# KiCad board IotKnob.kicad_pcb (continued)
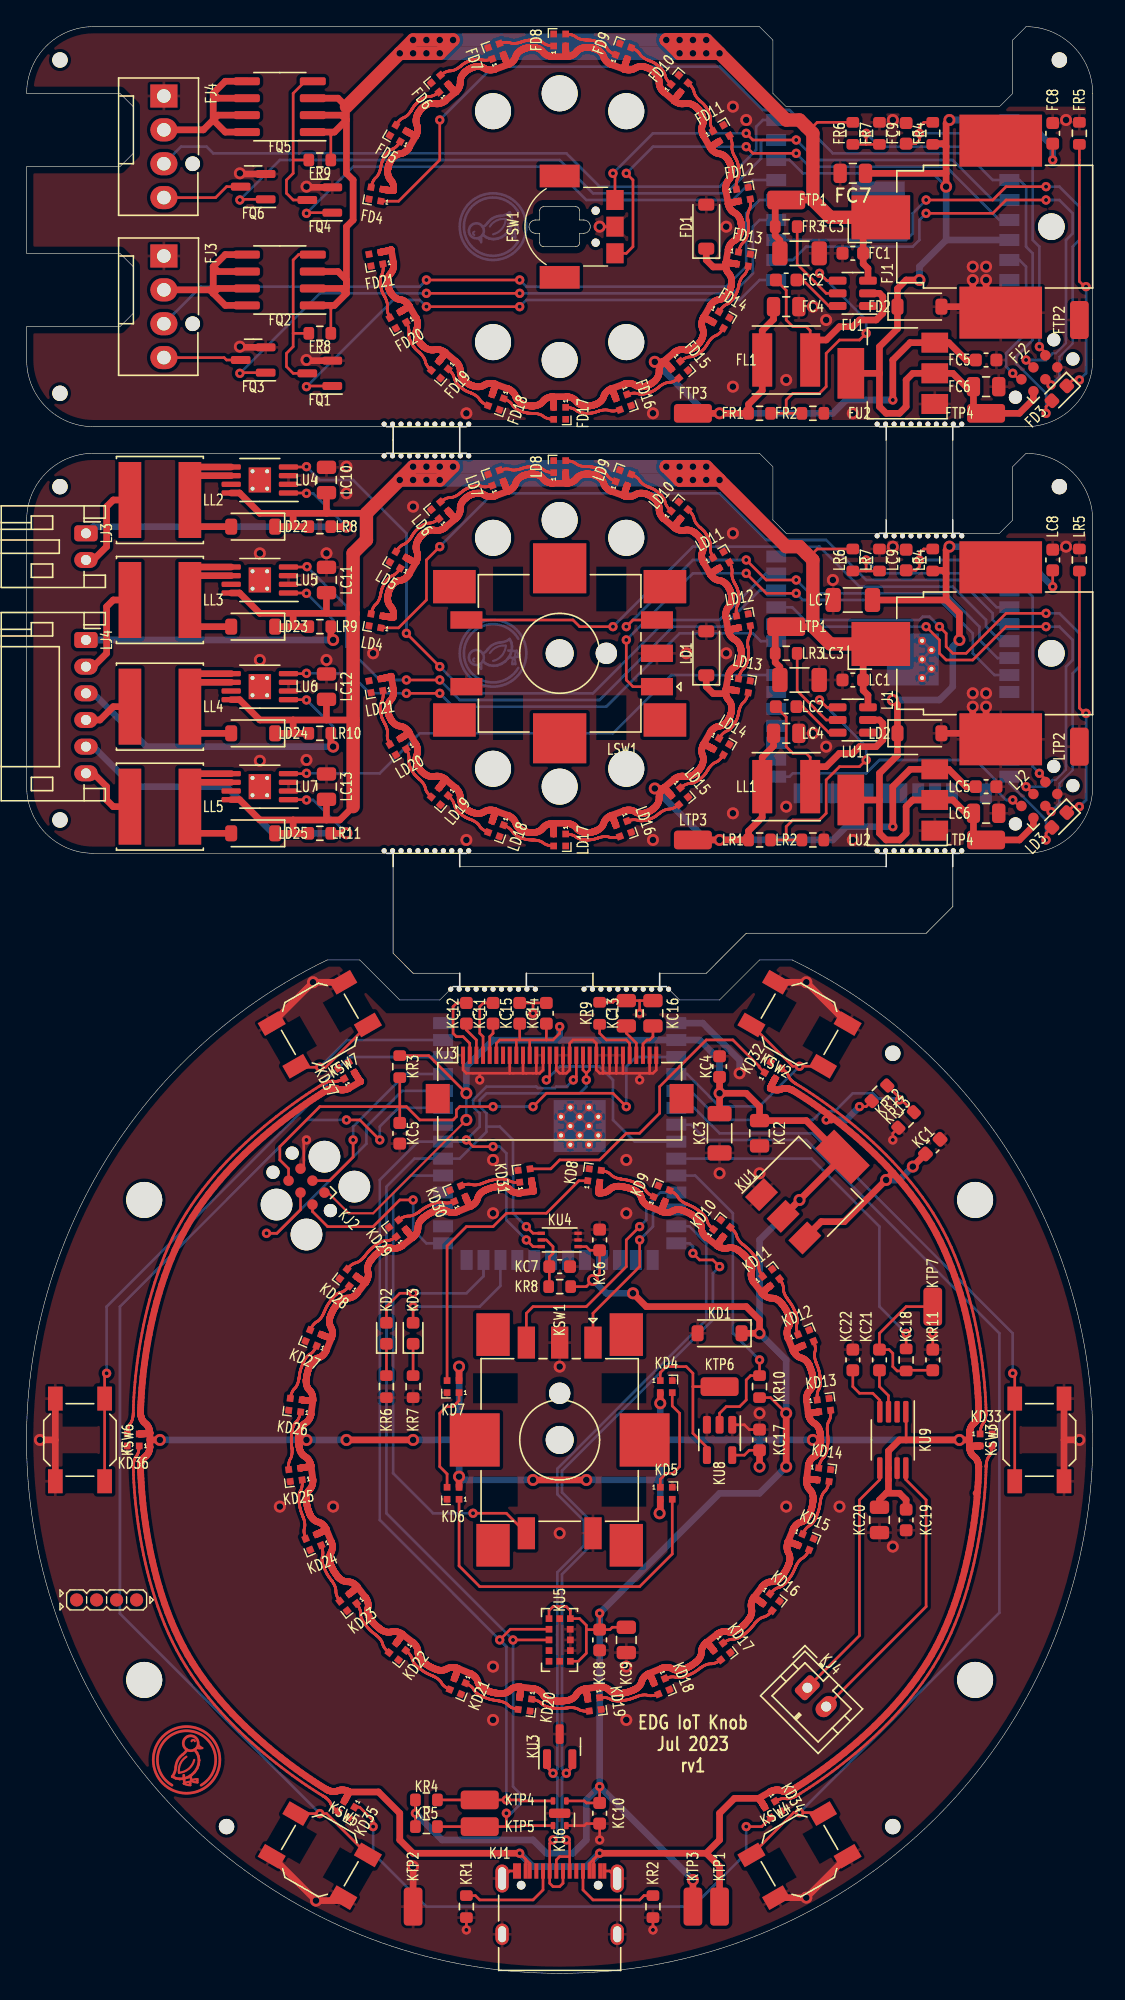
[diagram p0: board, top side]
## Placement (name value [footprint] x y rotation side) (continued)
UU4  Duck  [Symbol_Duckling]  12 16.01 0 top
UU4#2  Duck  [Symbol_Duckling]  35 131.01 270 bottom
UU4#3  Duck  [Symbol_Duckling]  35 99.01 270 bottom
UU5  Lemur  [Symbol_LemurSmall]  45 99.01 270 bottom
UU5#2  Lemur  [Symbol_LemurSmall]  45 131.01 270 bottom
UU5#3  Lemur  [Symbol_LemurSmall]  67 16.01 180 bottom
UU6  IdDots4  [Indicator_IdDots_4]  6 28.01 0 top

## Library data of the parts
FC1 = -: edg_part: CC0603KRX7R9BB104 (YAGEO); edg_path: reg_5v.hf_in_cap.cap; edg_refdes: FC1; edg_short_path: reg_5v.hf_in_cap
FC2 = -: edg_part: CC0603KRX7R9BB104 (YAGEO); edg_path: reg_5v.boot_cap; edg_refdes: FC2; edg_short_path: reg_5v.boot_cap
FC3 = -: edg_part: CL31A106KBHNNNE (Samsung Electro-Mechanics); edg_path: reg_5v.power_path.in_cap.cap; edg_refdes: FC3; edg_short_path: reg_5v.power_path.in_cap
FC4 = -: edg_part: CL21A106KAYNNNE (Samsung Electro-Mechanics); edg_path: reg_5v.power_path.out_cap.cap; edg_refdes: FC4; edg_short_path: reg_5v.power_path.out_cap
FC5 = -: edg_part: CC0603KRX7R9BB104 (YAGEO); edg_path: reg_3v3.in_cap.cap; edg_refdes: FC5; edg_short_path: reg_3v3.in_cap
FC6 = -: edg_part: CL21A475KAQNNNE (Samsung Electro-Mechanics); edg_path: reg_3v3.out_cap.cap; edg_refdes: FC6; edg_short_path: reg_3v3.out_cap
FC7 = -: edg_part: CL21A106KAYNNNE (Samsung Electro-Mechanics); edg_path: mcu.vcc_cap0.cap; edg_refdes: FC7; edg_short_path: mcu.vcc_cap0
FC8 = -: edg_part: CC0603KRX7R9BB104 (YAGEO); edg_path: mcu.vcc_cap1.cap; edg_refdes: FC8; edg_short_path: mcu.vcc_cap1
FC9 = -: edg_part: CL10A105KB8NNNC (Samsung Electro-Mechanics); edg_path: mcu.en_pull.rc.c; edg_refdes: FC9; edg_short_path: mcu.en_pull.c
FD1 = -: edg_part: BZT52C6V2 (Shandong Jingdao Microelectronics); edg_path: prot_5v.diode; edg_refdes: FD1; edg_short_path: prot_5v
FD2 = -: edg_part: BZT52C3V6 (SMC(Sangdest Microelectronicstronic (Nanjing))); edg_path: prot_3v3.diode; edg_refdes: FD2; edg_short_path: prot_3v3
FD3 = -: edg_part: KT-0603R (Hubei KENTO Elec); edg_path: ledr.package; edg_refdes: FD3; edg_short_path: ledr.package
FD4 = -: edg_path: rgb_ring.led[0]; edg_refdes: FD4; edg_short_path: rgb_ring.led[0]
FD5 = -: edg_path: rgb_ring.led[1]; edg_refdes: FD5; edg_short_path: rgb_ring.led[1]
FD6 = -: edg_path: rgb_ring.led[2]; edg_refdes: FD6; edg_short_path: rgb_ring.led[2]
FD7 = -: edg_path: rgb_ring.led[3]; edg_refdes: FD7; edg_short_path: rgb_ring.led[3]
FD8 = -: edg_path: rgb_ring.led[4]; edg_refdes: FD8; edg_short_path: rgb_ring.led[4]
FD9 = -: edg_path: rgb_ring.led[5]; edg_refdes: FD9; edg_short_path: rgb_ring.led[5]
FD10 = -: edg_path: rgb_ring.led[6]; edg_refdes: FD10; edg_short_path: rgb_ring.led[6]
FD11 = -: edg_path: rgb_ring.led[7]; edg_refdes: FD11; edg_short_path: rgb_ring.led[7]
FD12 = -: edg_path: rgb_ring.led[8]; edg_refdes: FD12; edg_short_path: rgb_ring.led[8]
FD13 = -: edg_path: rgb_ring.led[9]; edg_refdes: FD13; edg_short_path: rgb_ring.led[9]
FD14 = -: edg_path: rgb_ring.led[10]; edg_refdes: FD14; edg_short_path: rgb_ring.led[10]
FD15 = -: edg_path: rgb_ring.led[11]; edg_refdes: FD15; edg_short_path: rgb_ring.led[11]
FD16 = -: edg_path: rgb_ring.led[12]; edg_refdes: FD16; edg_short_path: rgb_ring.led[12]
FD17 = -: edg_path: rgb_ring.led[13]; edg_refdes: FD17; edg_short_path: rgb_ring.led[13]
FD18 = -: edg_path: rgb_ring.led[14]; edg_refdes: FD18; edg_short_path: rgb_ring.led[14]
FD19 = -: edg_path: rgb_ring.led[15]; edg_refdes: FD19; edg_short_path: rgb_ring.led[15]
FD20 = -: edg_path: rgb_ring.led[16]; edg_refdes: FD20; edg_short_path: rgb_ring.led[16]
FD21 = -: edg_path: rgb_ring.led[17]; edg_refdes: FD21; edg_short_path: rgb_ring.led[17]
FH1 = -: edg_path: jlc_th.th1; edg_refdes: FH1; edg_short_path: jlc_th.th1
FH2 = -: edg_path: jlc_th.th2; edg_refdes: FH2; edg_short_path: jlc_th.th2
FH3 = -: edg_path: jlc_th.th3; edg_refdes: FH3; edg_short_path: jlc_th.th3
FJ1 = -: edg_path: pwr; edg_refdes: FJ1; edg_short_path: pwr
FJ2 = -: edg_path: mcu.prog.conn; edg_refdes: FJ2; edg_short_path: mcu.prog
FJ3 = -: edg_path: fan[0]; edg_refdes: FJ3; edg_short_path: fan[0]
FJ4 = -: edg_path: fan[1]; edg_refdes: FJ4; edg_short_path: fan[1]
FL1 = -: edg_part: NR5040T220M (Taiyo Yuden); edg_path: reg_5v.power_path.inductor; edg_refdes: FL1; edg_short_path: reg_5v.power_path.inductor
FQ1 = -: edg_part: AO3400A (Alpha & Omega Semicon); edg_path: fan_drv[0].pre; edg_refdes: FQ1; edg_short_path: fan_drv[0].pre
FQ2 = -: edg_part: DMG4407SSS-13 (Diodes Incorporated); edg_path: fan_drv[0].drv; edg_refdes: FQ2; edg_short_path: fan_drv[0].drv
FQ3 = -: edg_part: AO3400A (Alpha & Omega Semicon); edg_path: fan_ctl[0].drv; edg_refdes: FQ3; edg_short_path: fan_ctl[0]
FQ4 = -: edg_part: AO3400A (Alpha & Omega Semicon); edg_path: fan_drv[1].pre; edg_refdes: FQ4; edg_short_path: fan_drv[1].pre
FQ5 = -: edg_part: DMG4407SSS-13 (Diodes Incorporated); edg_path: fan_drv[1].drv; edg_refdes: FQ5; edg_short_path: fan_drv[1].drv
FQ6 = -: edg_part: AO3400A (Alpha & Omega Semicon); edg_path: fan_ctl[1].drv; edg_refdes: FQ6; edg_short_path: fan_ctl[1]
FR1 = -: edg_part: 0603WAF6801T5E (UNI-ROYAL(Uniroyal Elec)); edg_path: reg_5v.fb.div.top_res; edg_refdes: FR1; edg_short_path: reg_5v.fb.top_res
FR2 = -: edg_part: 0603WAF1201T5E (UNI-ROYAL(Uniroyal Elec)); edg_path: reg_5v.fb.div.bottom_res; edg_refdes: FR2; edg_short_path: reg_5v.fb.bottom_res
FR3 = -: edg_part: 0603WAF5103T5E (UNI-ROYAL(Uniroyal Elec)); edg_path: reg_5v.en_res; edg_refdes: FR3; edg_short_path: reg_5v.en_res
FR4 = -: edg_part: 0603WAF1002T5E (UNI-ROYAL(Uniroyal Elec)); edg_path: mcu.en_pull.rc.r; edg_refdes: FR4; edg_short_path: mcu.en_pull.r
FR5 = -: edg_part: 0603WAF1001T5E (UNI-ROYAL(Uniroyal Elec)); edg_path: ledr.res; edg_refdes: FR5; edg_short_path: ledr.res
FR6 = -: edg_part: 0603WAF3302T5E (UNI-ROYAL(Uniroyal Elec)); edg_path: v12_sense.div.top_res; edg_refdes: FR6; edg_short_path: v12_sense.top_res
FR7 = -: edg_part: 0603WAF1002T5E (UNI-ROYAL(Uniroyal Elec)); edg_path: v12_sense.div.bottom_res; edg_refdes: FR7; edg_short_path: v12_sense.bottom_res
FR8 = -: edg_part: 0603WAF4701T5E (UNI-ROYAL(Uniroyal Elec)); edg_path: fan_drv[0].pull; edg_refdes: FR8; edg_short_path: fan_drv[0].pull
FR9 = -: edg_part: 0603WAF4701T5E (UNI-ROYAL(Uniroyal Elec)); edg_path: fan_drv[1].pull; edg_refdes: FR9; edg_short_path: fan_drv[1].pull
FSW1 = -: edg_path: enc.package; edg_refdes: FSW1; edg_short_path: enc
FTP1 = -: edg_part: 5015 (Keystone); edg_path: tp_pwr.tp; edg_refdes: FTP1; edg_short_path: tp_pwr
FTP2 = -: edg_part: 5015 (Keystone); edg_path: tp_gnd.tp; edg_refdes: FTP2; edg_short_path: tp_gnd
FTP3 = -: edg_part: 5015 (Keystone); edg_path: tp_5v.tp; edg_refdes: FTP3; edg_short_path: tp_5v
FTP4 = -: edg_part: 5015 (Keystone); edg_path: tp_3v3.tp; edg_refdes: FTP4; edg_short_path: tp_3v3
FU1 = -: edg_path: reg_5v.ic; edg_refdes: FU1; edg_short_path: reg_5v.ic
FU2 = -: edg_path: reg_3v3.ic; edg_refdes: FU2; edg_short_path: reg_3v3.ic
FU3 = -: edg_path: mcu.ic; edg_refdes: FU3; edg_short_path: mcu.ic
KC1 = -: edg_part: CC0603KRX7R9BB104 (YAGEO); edg_path: reg_3v3.in_cap.cap; edg_refdes: KC1; edg_short_path: reg_3v3.in_cap
KC2 = -: edg_part: CL21A475KAQNNNE (Samsung Electro-Mechanics); edg_path: reg_3v3.out_cap.cap; edg_refdes: KC2; edg_short_path: reg_3v3.out_cap
KC3 = -: edg_part: CL31A226KPHNNNE (Samsung Electro-Mechanics); edg_path: mcu.vcc_cap0.cap; edg_refdes: KC3; edg_short_path: mcu.vcc_cap0
KC4 = -: edg_part: CC0603KRX7R9BB104 (YAGEO); edg_path: mcu.vcc_cap1.cap; edg_refdes: KC4; edg_short_path: mcu.vcc_cap1
KC5 = -: edg_part: CL10A105KB8NNNC (Samsung Electro-Mechanics); edg_path: mcu.en_pull.rc.c; edg_refdes: KC5; edg_short_path: mcu.en_pull.c
KC6 = -: edg_part: CC0603KRX7R9BB104 (YAGEO); edg_path: als.vcc_cap.cap; edg_refdes: KC6; edg_short_path: als.vcc_cap
KC7 = -: edg_part: CL10A105KB8NNNC (Samsung Electro-Mechanics); edg_path: als.dvi_cap; edg_refdes: KC7; edg_short_path: als.dvi_cap
KC8 = -: edg_part: CC0603KRX7R9BB104 (YAGEO); edg_path: dist.vdd_cap[0].cap; edg_refdes: KC8; edg_short_path: dist.vdd_cap[0]
KC9 = -: edg_part: CL21A475KAQNNNE (Samsung Electro-Mechanics); edg_path: dist.vdd_cap[1].cap; edg_refdes: KC9; edg_short_path: dist.vdd_cap[1]
KC10 = -: edg_part: CC0603KRX7R9BB104 (YAGEO); edg_path: env.vdd_cap.cap; edg_refdes: KC10; edg_short_path: env.vdd_cap
KC11 = -: edg_part: CL10A105KB8NNNC (Samsung Electro-Mechanics); edg_path: oled.c1_cap; edg_refdes: KC11; edg_short_path: oled.c1_cap
KC12 = -: edg_part: CL10A105KB8NNNC (Samsung Electro-Mechanics); edg_path: oled.c2_cap; edg_refdes: KC12; edg_short_path: oled.c2_cap
KC13 = -: edg_part: CL21A475KAQNNNE (Samsung Electro-Mechanics); edg_path: oled.vcomh_cap.cap; edg_refdes: KC13; edg_short_path: oled.vcomh_cap
KC14 = -: edg_part: CL10A105KB8NNNC (Samsung Electro-Mechanics); edg_path: oled.vdd_cap1.cap; edg_refdes: KC14; edg_short_path: oled.vdd_cap1
KC15 = -: edg_part: CL10A105KB8NNNC (Samsung Electro-Mechanics); edg_path: oled.vbat_cap.cap; edg_refdes: KC15; edg_short_path: oled.vbat_cap
KC16 = -: edg_part: CL21A475KAQNNNE (Samsung Electro-Mechanics); edg_path: oled.vcc_cap.cap; edg_refdes: KC16; edg_short_path: oled.vcc_cap
KC17 = -: edg_part: CC0603KRX7R9BB104 (YAGEO); edg_path: rgb_shift.vdd_cap.cap; edg_refdes: KC17; edg_short_path: rgb_shift.vdd_cap
KC18 = -: edg_part: CL10B473KB8NNNC (Samsung Electro-Mechanics); edg_path: spk_dac.rc.c; edg_refdes: KC18; edg_short_path: spk_dac.c
KC19 = -: edg_part: CL10A105KB8NNNC (Samsung Electro-Mechanics); edg_path: spk_drv.pwr_cap0.cap; edg_refdes: KC19; edg_short_path: spk_drv.pwr_cap0
KC20 = -: edg_part: CL21A106KAYNNNE (Samsung Electro-Mechanics); edg_path: spk_drv.pwr_cap1.cap; edg_refdes: KC20; edg_short_path: spk_drv.pwr_cap1
KC21 = -: edg_part: CC0603KRX7R9BB104 (YAGEO); edg_path: spk_drv.inp_cap; edg_refdes: KC21; edg_short_path: spk_drv.inp_cap
KC22 = -: edg_part: CC0603KRX7R9BB104 (YAGEO); edg_path: spk_drv.inn_cap; edg_refdes: KC22; edg_short_path: spk_drv.inn_cap
KD1 = -: edg_part: BZT52C3V6 (SMC(Sangdest Microelectronicstronic (Nanjing))); edg_path: prot_3v3.diode; edg_refdes: KD1; edg_short_path: prot_3v3
KD2 = -: edg_part: KT-0603R (Hubei KENTO Elec); edg_path: ledr.package; edg_refdes: KD2; edg_short_path: ledr.package
KD3 = -: edg_part: 19-213/Y2C-CQ2R2L/3T(CY) (Everlight Elec); edg_path: ledy.package; edg_refdes: KD3; edg_short_path: ledy.package
KD4 = -: edg_path: rgb_knob.led[0]; edg_refdes: KD4; edg_short_path: rgb_knob.led[0]
KD5 = -: edg_path: rgb_knob.led[1]; edg_refdes: KD5; edg_short_path: rgb_knob.led[1]
KD6 = -: edg_path: rgb_knob.led[2]; edg_refdes: KD6; edg_short_path: rgb_knob.led[2]
KD7 = -: edg_path: rgb_knob.led[3]; edg_refdes: KD7; edg_short_path: rgb_knob.led[3]
KD8 = -: edg_path: rgb_ring.led[0]; edg_refdes: KD8; edg_short_path: rgb_ring.led[0]
KD9 = -: edg_path: rgb_ring.led[1]; edg_refdes: KD9; edg_short_path: rgb_ring.led[1]
KD10 = -: edg_path: rgb_ring.led[2]; edg_refdes: KD10; edg_short_path: rgb_ring.led[2]
KD11 = -: edg_path: rgb_ring.led[3]; edg_refdes: KD11; edg_short_path: rgb_ring.led[3]
KD12 = -: edg_path: rgb_ring.led[4]; edg_refdes: KD12; edg_short_path: rgb_ring.led[4]
KD13 = -: edg_path: rgb_ring.led[5]; edg_refdes: KD13; edg_short_path: rgb_ring.led[5]
KD14 = -: edg_path: rgb_ring.led[6]; edg_refdes: KD14; edg_short_path: rgb_ring.led[6]
KD15 = -: edg_path: rgb_ring.led[7]; edg_refdes: KD15; edg_short_path: rgb_ring.led[7]
KD16 = -: edg_path: rgb_ring.led[8]; edg_refdes: KD16; edg_short_path: rgb_ring.led[8]
KD17 = -: edg_path: rgb_ring.led[9]; edg_refdes: KD17; edg_short_path: rgb_ring.led[9]
KD18 = -: edg_path: rgb_ring.led[10]; edg_refdes: KD18; edg_short_path: rgb_ring.led[10]
KD19 = -: edg_path: rgb_ring.led[11]; edg_refdes: KD19; edg_short_path: rgb_ring.led[11]
KD20 = -: edg_path: rgb_ring.led[12]; edg_refdes: KD20; edg_short_path: rgb_ring.led[12]
KD21 = -: edg_path: rgb_ring.led[13]; edg_refdes: KD21; edg_short_path: rgb_ring.led[13]
KD22 = -: edg_path: rgb_ring.led[14]; edg_refdes: KD22; edg_short_path: rgb_ring.led[14]
KD23 = -: edg_path: rgb_ring.led[15]; edg_refdes: KD23; edg_short_path: rgb_ring.led[15]
KD24 = -: edg_path: rgb_ring.led[16]; edg_refdes: KD24; edg_short_path: rgb_ring.led[16]
KD25 = -: edg_path: rgb_ring.led[17]; edg_refdes: KD25; edg_short_path: rgb_ring.led[17]
KD26 = -: edg_path: rgb_ring.led[18]; edg_refdes: KD26; edg_short_path: rgb_ring.led[18]
KD27 = -: edg_path: rgb_ring.led[19]; edg_refdes: KD27; edg_short_path: rgb_ring.led[19]
KD28 = -: edg_path: rgb_ring.led[20]; edg_refdes: KD28; edg_short_path: rgb_ring.led[20]
KD29 = -: edg_path: rgb_ring.led[21]; edg_refdes: KD29; edg_short_path: rgb_ring.led[21]
KD30 = -: edg_path: rgb_ring.led[22]; edg_refdes: KD30; edg_short_path: rgb_ring.led[22]
KD31 = -: edg_path: rgb_ring.led[23]; edg_refdes: KD31; edg_short_path: rgb_ring.led[23]
KD32 = -: edg_path: rgb_sw.led[0]; edg_refdes: KD32; edg_short_path: rgb_sw.led[0]
KD33 = -: edg_path: rgb_sw.led[1]; edg_refdes: KD33; edg_short_path: rgb_sw.led[1]
KD34 = -: edg_path: rgb_sw.led[2]; edg_refdes: KD34; edg_short_path: rgb_sw.led[2]
KD35 = -: edg_path: rgb_sw.led[3]; edg_refdes: KD35; edg_short_path: rgb_sw.led[3]
KD36 = -: edg_path: rgb_sw.led[4]; edg_refdes: KD36; edg_short_path: rgb_sw.led[4]
KD37 = -: edg_path: rgb_sw.led[5]; edg_refdes: KD37; edg_short_path: rgb_sw.led[5]
KH1 = -: edg_path: jlc_th.th1; edg_refdes: KH1; edg_short_path: jlc_th.th1
KH2 = -: edg_path: jlc_th.th2; edg_refdes: KH2; edg_short_path: jlc_th.th2
KH3 = -: edg_path: jlc_th.th3; edg_refdes: KH3; edg_short_path: jlc_th.th3
KJ1 = -: edg_path: usb.conn; edg_refdes: KJ1; edg_short_path: usb.conn
KJ2 = -: edg_path: mcu.prog.conn; edg_refdes: KJ2; edg_short_path: mcu.prog
KJ3 = -: edg_path: oled.device.conn; edg_refdes: KJ3; edg_short_path: oled.device.conn
KJ4 = -: edg_path: spk.conn; edg_refdes: KJ4; edg_short_path: spk
KR1 = -: edg_part: 0603WAF5101T5E (UNI-ROYAL(Uniroyal Elec)); edg_path: usb.cc_pull.cc1.res; edg_refdes: KR1; edg_short_path: usb.cc_pull.cc1
KR2 = -: edg_part: 0603WAF5101T5E (UNI-ROYAL(Uniroyal Elec)); edg_path: usb.cc_pull.cc2.res; edg_refdes: KR2; edg_short_path: usb.cc_pull.cc2
KR3 = -: edg_part: 0603WAF1002T5E (UNI-ROYAL(Uniroyal Elec)); edg_path: mcu.en_pull.rc.r; edg_refdes: KR3; edg_short_path: mcu.en_pull.r
KR4 = -: edg_part: 0603WAF4701T5E (UNI-ROYAL(Uniroyal Elec)); edg_path: i2c_pull.scl_res.res; edg_refdes: KR4; edg_short_path: i2c_pull.scl_res
KR5 = -: edg_part: 0603WAF4701T5E (UNI-ROYAL(Uniroyal Elec)); edg_path: i2c_pull.sda_res.res; edg_refdes: KR5; edg_short_path: i2c_pull.sda_res
KR6 = -: edg_part: 0603WAF1001T5E (UNI-ROYAL(Uniroyal Elec)); edg_path: ledr.res; edg_refdes: KR6; edg_short_path: ledr.res
KR7 = -: edg_part: 0603WAF1001T5E (UNI-ROYAL(Uniroyal Elec)); edg_path: ledy.res; edg_refdes: KR7; edg_short_path: ledy.res
KR8 = -: edg_part: 0603WAF1001T5E (UNI-ROYAL(Uniroyal Elec)); edg_path: als.dvi_res; edg_refdes: KR8; edg_short_path: als.dvi_res
KR9 = -: edg_part: 0603WAF3903T5E (UNI-ROYAL(Uniroyal Elec)); edg_path: oled.iref_res; edg_refdes: KR9; edg_short_path: oled.iref_res
KR10 = -: edg_part: 0603WAF4701T5E (UNI-ROYAL(Uniroyal Elec)); edg_path: io8_pur.res; edg_refdes: KR10; edg_short_path: io8_pur
KR11 = -: edg_part: 0603WAF1001T5E (UNI-ROYAL(Uniroyal Elec)); edg_path: spk_dac.rc.r; edg_refdes: KR11; edg_short_path: spk_dac.r
KR12 = -: edg_part: 0603WAF1002T5E (UNI-ROYAL(Uniroyal Elec)); edg_path: v5v_sense.div.top_res; edg_refdes: KR12; edg_short_path: v5v_sense.top_res
KR13 = -: edg_part: 0603WAF1502T5E (UNI-ROYAL(Uniroyal Elec)); edg_path: v5v_sense.div.bottom_res; edg_refdes: KR13; edg_short_path: v5v_sense.bottom_res
KSW1 = -: edg_path: enc.package; edg_refdes: KSW1; edg_short_path: enc
KSW2 = -: edg_path: sw[0].package; edg_refdes: KSW2; edg_short_path: sw[0]
KSW3 = -: edg_path: sw[1].package; edg_refdes: KSW3; edg_short_path: sw[1]
KSW4 = -: edg_path: sw[2].package; edg_refdes: KSW4; edg_short_path: sw[2]
KSW5 = -: edg_path: sw[3].package; edg_refdes: KSW5; edg_short_path: sw[3]
KSW6 = -: edg_path: sw[4].package; edg_refdes: KSW6; edg_short_path: sw[4]
KSW7 = -: edg_path: sw[5].package; edg_refdes: KSW7; edg_short_path: sw[5]
KTP1 = -: edg_part: 5015 (Keystone); edg_path: tp_pwr.tp; edg_refdes: KTP1; edg_short_path: tp_pwr
KTP2 = -: edg_part: 5015 (Keystone); edg_path: tp_gnd.tp; edg_refdes: KTP2; edg_short_path: tp_gnd
KTP3 = -: edg_part: 5015 (Keystone); edg_path: tp_3v3.tp; edg_refdes: KTP3; edg_short_path: tp_3v3
KTP4 = -: edg_part: 5015 (Keystone); edg_path: i2c_tp.tp_scl.tp; edg_refdes: KTP4; edg_short_path: i2c_tp.tp_scl
KTP5 = -: edg_part: 5015 (Keystone); edg_path: i2c_tp.tp_sda.tp; edg_refdes: KTP5; edg_short_path: i2c_tp.tp_sda
KTP6 = -: edg_part: 5015 (Keystone); edg_path: rgb_tp.tp; edg_refdes: KTP6; edg_short_path: rgb_tp
KTP7 = -: edg_part: 5015 (Keystone); edg_path: spk_tp.tp; edg_refdes: KTP7; edg_short_path: spk_tp
KU1 = -: edg_path: reg_3v3.ic; edg_refdes: KU1; edg_short_path: reg_3v3.ic
KU2 = -: edg_path: mcu.ic; edg_refdes: KU2; edg_short_path: mcu.ic
KU3 = -: edg_path: usb_esd; edg_refdes: KU3; edg_short_path: usb_esd
KU4 = -: edg_path: als.ic; edg_refdes: KU4; edg_short_path: als.ic
KU5 = -: edg_path: dist.ic; edg_refdes: KU5; edg_short_path: dist.ic
KU6 = -: edg_path: env.ic; edg_refdes: KU6; edg_short_path: env.ic
KU8 = -: edg_path: rgb_shift.ic; edg_refdes: KU8; edg_short_path: rgb_shift.ic
KU9 = -: edg_path: spk_drv.ic; edg_refdes: KU9; edg_short_path: spk_drv.ic
LC1 = -: edg_part: CC0603KRX7R9BB104 (YAGEO); edg_path: reg_5v.hf_in_cap.cap; edg_refdes: LC1; edg_short_path: reg_5v.hf_in_cap
LC2 = -: edg_part: CC0603KRX7R9BB104 (YAGEO); edg_path: reg_5v.boot_cap; edg_refdes: LC2; edg_short_path: reg_5v.boot_cap
LC3 = -: edg_part: CL31A106KBHNNNE (Samsung Electro-Mechanics); edg_path: reg_5v.power_path.in_cap.cap; edg_refdes: LC3; edg_short_path: reg_5v.power_path.in_cap
LC4 = -: edg_part: CL21A106KAYNNNE (Samsung Electro-Mechanics); edg_path: reg_5v.power_path.out_cap.cap; edg_refdes: LC4; edg_short_path: reg_5v.power_path.out_cap
LC5 = -: edg_part: CC0603KRX7R9BB104 (YAGEO); edg_path: reg_3v3.in_cap.cap; edg_refdes: LC5; edg_short_path: reg_3v3.in_cap
LC6 = -: edg_part: CL21A475KAQNNNE (Samsung Electro-Mechanics); edg_path: reg_3v3.out_cap.cap; edg_refdes: LC6; edg_short_path: reg_3v3.out_cap
LC7 = -: edg_part: CL31A226KPHNNNE (Samsung Electro-Mechanics); edg_path: mcu.vcc_cap0.cap; edg_refdes: LC7; edg_short_path: mcu.vcc_cap0
LC8 = -: edg_part: CC0603KRX7R9BB104 (YAGEO); edg_path: mcu.vcc_cap1.cap; edg_refdes: LC8; edg_short_path: mcu.vcc_cap1
LC9 = -: edg_part: CL10A105KB8NNNC (Samsung Electro-Mechanics); edg_path: mcu.en_pull.rc.c; edg_refdes: LC9; edg_short_path: mcu.en_pull.c
LC10 = -: edg_part: GRM21BR61H106KE43L (Murata Electronics); edg_path: led_drv[0].pwr_cap.cap; edg_refdes: LC10; edg_short_path: led_drv[0].pwr_cap
LC11 = -: edg_part: GRM21BR61H106KE43L (Murata Electronics); edg_path: led_drv[1].pwr_cap.cap; edg_refdes: LC11; edg_short_path: led_drv[1].pwr_cap
LC12 = -: edg_part: GRM21BR61H106KE43L (Murata Electronics); edg_path: led_drv[2].pwr_cap.cap; edg_refdes: LC12; edg_short_path: led_drv[2].pwr_cap
LC13 = -: edg_part: GRM21BR61H106KE43L (Murata Electronics); edg_path: led_drv[3].pwr_cap.cap; edg_refdes: LC13; edg_short_path: led_drv[3].pwr_cap
LD1 = -: edg_part: BZT52C6V2 (Shandong Jingdao Microelectronics); edg_path: prot_5v.diode; edg_refdes: LD1; edg_short_path: prot_5v
LD2 = -: edg_part: BZT52C3V6 (SMC(Sangdest Microelectronicstronic (Nanjing))); edg_path: prot_3v3.diode; edg_refdes: LD2; edg_short_path: prot_3v3
LD3 = -: edg_part: KT-0603R (Hubei KENTO Elec); edg_path: ledr.package; edg_refdes: LD3; edg_short_path: ledr.package
LD4 = -: edg_path: rgb_ring.led[0]; edg_refdes: LD4; edg_short_path: rgb_ring.led[0]
LD5 = -: edg_path: rgb_ring.led[1]; edg_refdes: LD5; edg_short_path: rgb_ring.led[1]
LD6 = -: edg_path: rgb_ring.led[2]; edg_refdes: LD6; edg_short_path: rgb_ring.led[2]
LD7 = -: edg_path: rgb_ring.led[3]; edg_refdes: LD7; edg_short_path: rgb_ring.led[3]
LD8 = -: edg_path: rgb_ring.led[4]; edg_refdes: LD8; edg_short_path: rgb_ring.led[4]
LD9 = -: edg_path: rgb_ring.led[5]; edg_refdes: LD9; edg_short_path: rgb_ring.led[5]
LD10 = -: edg_path: rgb_ring.led[6]; edg_refdes: LD10; edg_short_path: rgb_ring.led[6]
LD11 = -: edg_path: rgb_ring.led[7]; edg_refdes: LD11; edg_short_path: rgb_ring.led[7]
LD12 = -: edg_path: rgb_ring.led[8]; edg_refdes: LD12; edg_short_path: rgb_ring.led[8]
LD13 = -: edg_path: rgb_ring.led[9]; edg_refdes: LD13; edg_short_path: rgb_ring.led[9]
LD14 = -: edg_path: rgb_ring.led[10]; edg_refdes: LD14; edg_short_path: rgb_ring.led[10]
LD15 = -: edg_path: rgb_ring.led[11]; edg_refdes: LD15; edg_short_path: rgb_ring.led[11]
LD16 = -: edg_path: rgb_ring.led[12]; edg_refdes: LD16; edg_short_path: rgb_ring.led[12]
LD17 = -: edg_path: rgb_ring.led[13]; edg_refdes: LD17; edg_short_path: rgb_ring.led[13]
LD18 = -: edg_path: rgb_ring.led[14]; edg_refdes: LD18; edg_short_path: rgb_ring.led[14]
LD19 = -: edg_path: rgb_ring.led[15]; edg_refdes: LD19; edg_short_path: rgb_ring.led[15]
LD20 = -: edg_path: rgb_ring.led[16]; edg_refdes: LD20; edg_short_path: rgb_ring.led[16]
LD21 = -: edg_path: rgb_ring.led[17]; edg_refdes: LD21; edg_short_path: rgb_ring.led[17]
LD22 = -: edg_part: B5817W (Shandong Jingdao Microelectronics); edg_path: led_drv[0].diode; edg_refdes: LD22; edg_short_path: led_drv[0].diode
LD23 = -: edg_part: B5817W (Shandong Jingdao Microelectronics); edg_path: led_drv[1].diode; edg_refdes: LD23; edg_short_path: led_drv[1].diode
LD24 = -: edg_part: B5817W (Shandong Jingdao Microelectronics); edg_path: led_drv[2].diode; edg_refdes: LD24; edg_short_path: led_drv[2].diode
LD25 = -: edg_part: B5817W (Shandong Jingdao Microelectronics); edg_path: led_drv[3].diode; edg_refdes: LD25; edg_short_path: led_drv[3].diode
LH1 = -: edg_path: jlc_th.th1; edg_refdes: LH1; edg_short_path: jlc_th.th1
LH2 = -: edg_path: jlc_th.th2; edg_refdes: LH2; edg_short_path: jlc_th.th2
LH3 = -: edg_path: jlc_th.th3; edg_refdes: LH3; edg_short_path: jlc_th.th3
LJ1 = -: edg_path: pwr; edg_refdes: LJ1; edg_short_path: pwr
LJ2 = -: edg_path: mcu.prog.conn; edg_refdes: LJ2; edg_short_path: mcu.prog
LJ3 = -: edg_path: led_conn; edg_refdes: LJ3; edg_short_path: led_conn
LJ4 = -: edg_path: rgb_conn; edg_refdes: LJ4; edg_short_path: rgb_conn
LL1 = -: edg_part: NR5040T220M (Taiyo Yuden); edg_path: reg_5v.power_path.inductor; edg_refdes: LL1; edg_short_path: reg_5v.power_path.inductor
LL2 = -: edg_part: SWPA6045S680MT (Sunlord); edg_path: led_drv[0].ind; edg_refdes: LL2; edg_short_path: led_drv[0].ind
LL3 = -: edg_part: SWPA6045S680MT (Sunlord); edg_path: led_drv[1].ind; edg_refdes: LL3; edg_short_path: led_drv[1].ind
LL4 = -: edg_part: SWPA6045S680MT (Sunlord); edg_path: led_drv[2].ind; edg_refdes: LL4; edg_short_path: led_drv[2].ind
LL5 = -: edg_part: SWPA6045S680MT (Sunlord); edg_path: led_drv[3].ind; edg_refdes: LL5; edg_short_path: led_drv[3].ind
LR1 = -: edg_part: 0603WAF6801T5E (UNI-ROYAL(Uniroyal Elec)); edg_path: reg_5v.fb.div.top_res; edg_refdes: LR1; edg_short_path: reg_5v.fb.top_res
LR2 = -: edg_part: 0603WAF1201T5E (UNI-ROYAL(Uniroyal Elec)); edg_path: reg_5v.fb.div.bottom_res; edg_refdes: LR2; edg_short_path: reg_5v.fb.bottom_res
LR3 = -: edg_part: 0603WAF5103T5E (UNI-ROYAL(Uniroyal Elec)); edg_path: reg_5v.en_res; edg_refdes: LR3; edg_short_path: reg_5v.en_res
LR4 = -: edg_part: 0603WAF1002T5E (UNI-ROYAL(Uniroyal Elec)); edg_path: mcu.en_pull.rc.r; edg_refdes: LR4; edg_short_path: mcu.en_pull.r
LR5 = -: edg_part: 0603WAF1001T5E (UNI-ROYAL(Uniroyal Elec)); edg_path: ledr.res; edg_refdes: LR5; edg_short_path: ledr.res
LR6 = -: edg_part: 0603WAF3302T5E (UNI-ROYAL(Uniroyal Elec)); edg_path: v12_sense.div.top_res; edg_refdes: LR6; edg_short_path: v12_sense.top_res
LR7 = -: edg_part: 0603WAF1002T5E (UNI-ROYAL(Uniroyal Elec)); edg_path: v12_sense.div.bottom_res; edg_refdes: LR7; edg_short_path: v12_sense.bottom_res
LR8 = -: edg_part: RTT03R150FTP (RALEC); edg_path: led_drv[0].rsense.res.res; edg_refdes: LR8; edg_short_path: led_drv[0].rsense
LR9 = -: edg_part: RTT03R150FTP (RALEC); edg_path: led_drv[1].rsense.res.res; edg_refdes: LR9; edg_short_path: led_drv[1].rsense
LR10 = -: edg_part: RTT03R150FTP (RALEC); edg_path: led_drv[2].rsense.res.res; edg_refdes: LR10; edg_short_path: led_drv[2].rsense
LR11 = -: edg_part: RTT03R150FTP (RALEC); edg_path: led_drv[3].rsense.res.res; edg_refdes: LR11; edg_short_path: led_drv[3].rsense
LSW1 = -: edg_path: enc.package; edg_refdes: LSW1; edg_short_path: enc
LTP1 = -: edg_part: 5015 (Keystone); edg_path: tp_pwr.tp; edg_refdes: LTP1; edg_short_path: tp_pwr
LTP2 = -: edg_part: 5015 (Keystone); edg_path: tp_gnd.tp; edg_refdes: LTP2; edg_short_path: tp_gnd
LTP3 = -: edg_part: 5015 (Keystone); edg_path: tp_5v.tp; edg_refdes: LTP3; edg_short_path: tp_5v
LTP4 = -: edg_part: 5015 (Keystone); edg_path: tp_3v3.tp; edg_refdes: LTP4; edg_short_path: tp_3v3
LU1 = -: edg_path: reg_5v.ic; edg_refdes: LU1; edg_short_path: reg_5v.ic
LU2 = -: edg_path: reg_3v3.ic; edg_refdes: LU2; edg_short_path: reg_3v3.ic
LU3 = -: edg_path: mcu.ic; edg_refdes: LU3; edg_short_path: mcu.ic
LU4 = -: edg_path: led_drv[0].ic; edg_refdes: LU4; edg_short_path: led_drv[0].ic
LU5 = -: edg_path: led_drv[1].ic; edg_refdes: LU5; edg_short_path: led_drv[1].ic
LU6 = -: edg_path: led_drv[2].ic; edg_refdes: LU6; edg_short_path: led_drv[2].ic
LU7 = -: edg_path: led_drv[3].ic; edg_refdes: LU7; edg_short_path: led_drv[3].ic
UU4 UU4#2 UU4#3 = -: edg_path: duck; edg_refdes: UU4; edg_short_path: duck
UU5 UU5#2 UU5#3 = -: edg_path: lemur; edg_refdes: UU5; edg_short_path: lemur
UU6 = -: edg_path: id; edg_refdes: UU6; edg_short_path: id

## Footprints (pads in the part's own frame, mm; a bottom-side part is the same pattern mirrored in y, then rotated)
BarrelJack_CUI_PJ-036AH-SMT_Horizontal
  round 2 hole 2 unplated: (0,-7)
  rect 3.3x4.4 smd: 1(0.7,5.8)
  rect 3.9x6.2 smd: 2(-6.45,-3.2) 3(6.45,-3.2)
C_0603_1608Metric
  rrect 0.9x0.95 smd: 1(-0.775,0) 2(0.775,0)
C_0805_2012Metric
  rrect 1x1.45 smd: 1(-0.95,0) 2(0.95,0)
C_1206_3216Metric
  rrect 1.15x1.8 smd: 1(-1.475,0) 2(1.475,0)
D_SOD-123
  rrect 0.9x1.2 smd: 1(-1.65,0) 2(1.65,0)
ESP32-S3-WROOM-1
  rect 0.9x0.9 smd: (-2.9,-3.86) (-2.9,-2.46) (-2.9,-1.06) (-1.5,-3.86) (-1.5,-2.46) (-1.5,-1.06) (-0.1,-3.86) (-0.1,-2.46) (-0.1,-1.06)
  rect 1.5x0.9 smd: 1(-8.75,5.26) 2(-8.75,3.99) 3(-8.75,2.72) 4(-8.75,1.45) 5(-8.75,0.18) 6(-8.75,-1.09) 7(-8.75,-2.36) 8(-8.75,-3.63) 9(-8.75,-4.9) 10(-8.75,-6.17) 11(-8.75,-7.44) 12(-8.75,-8.71) 13(-8.75,-9.98) 14(-8.75,-11.25) 27(8.75,-11.25) 28(8.75,-9.98) 29(8.75,-8.71) 30(8.75,-7.44) 31(8.75,-6.17) 32(8.75,-4.9) 33(8.75,-3.63) 34(8.75,-2.36) 35(8.75,-1.09) 36(8.75,0.18) 37(8.75,1.45) 38(8.75,2.72) 39(8.75,3.99) 40(8.75,5.26)
  rect 0.9x1.5 smd: 15(-6.985,-12.5) 16(-5.715,-12.5) 17(-4.445,-12.5) 18(-3.175,-12.5) 19(-1.905,-12.5) 20(-0.635,-12.5) 21(0.635,-12.5) 22(1.905,-12.5) 23(3.175,-12.5) 24(4.445,-12.5) 25(5.715,-12.5) 26(6.985,-12.5)
  round 0.6 hole 0.3: 41(-2.9,-3.16) 41(-2.9,-1.76) 41(-2.2,-3.86) 41(-2.2,-2.46) 41(-2.2,-1.06) 41(-1.5,-3.16) 41(-1.5,-1.76) 41(-0.8,-3.86) 41(-0.8,-2.46) 41(-0.8,-1.06) 41(-0.1,-3.16) 41(-0.1,-1.76)
  rect 3.9x3.9 smd: 41(-1.5,-2.46)
ESP32-S3-WROOM-1#2
  rect 0.9x0.9 smd: (-2.9,-3.86) (-2.9,-2.46) (-2.9,-1.06) (-1.5,-3.86) (-1.5,-2.46) (-1.5,-1.06) (-0.1,-3.86) (-0.1,-2.46) (-0.1,-1.06)
  rect 1.5x0.9 smd: 1(-8.75,5.26) 2(-8.75,3.99) 3(-8.75,2.72) 4(-8.75,1.45) 5(-8.75,0.18) 6(-8.75,-1.09) 7(-8.75,-2.36) 8(-8.75,-3.63) 9(-8.75,-4.9) 11(-8.75,-7.44) 12(-8.75,-8.71) 13(-8.75,-9.98) 14(-8.75,-11.25) 27(8.75,-11.25) 28(8.75,-9.98) 29(8.75,-8.71) 30(8.75,-7.44) 31(8.75,-6.17) 32(8.75,-4.9) 33(8.75,-3.63) 35(8.75,-1.09) 36(8.75,0.18) 37(8.75,1.45) 38(8.75,2.72) 39(8.75,3.99) 40(8.75,5.26)
  rect 0.9x1.5 smd: 15(-6.985,-12.5) 17(-4.445,-12.5) 18(-3.175,-12.5) 19(-1.905,-12.5) 20(-0.635,-12.5) 21(0.635,-12.5) 22(1.905,-12.5) 23(3.175,-12.5) 24(4.445,-12.5) 25(5.715,-12.5) 26(6.985,-12.5)
  round 0.6 hole 0.3: 41(-2.9,-3.16) 41(-2.9,-1.76) 41(-2.2,-3.86) 41(-2.2,-2.46) 41(-2.2,-1.06)
  rect 3.9x3.9 smd: 41(-1.5,-2.46)
ESP-WROOM-02
  rect 1.5x0.9 smd: 1(-8.75,6) 2(-8.75,4.5) 3(-8.75,3) 4(-8.75,1.5) 5(-8.75,0) 6(-8.75,-1.5) 7(-8.75,-3) 8(-8.75,-4.5) 9(-8.75,-6) 10(8.75,-6) 11(8.75,-4.5) 12(8.75,-3) 13(8.75,-1.5) 14(8.75,0) 15(8.75,1.5) 16(8.75,3) 17(8.75,4.5) 18(8.75,6)
  rect 4x4 smd: 19(1.1,-0.61)
FanPinHeader_1x04_P2.54mm_Vertical
  round 1.1 hole 1.1 unplated: (5.08,2.16)
  rect 1.73x2.03 hole 1.02: 1(0,0)
  oval 1.73x2.03 hole 1.02: 2(2.54,0) 3(5.08,0) 4(7.62,0)
HalfMouseBites_Recessed
  round 0.38 hole 0.38 unplated: (-3.175,1.19) (-2.54,1.19) (-1.905,1.19) (-1.27,1.19) (-0.635,1.19) (0,1.19) (0.635,1.19) (1.27,1.19) (1.905,1.19) (2.54,1.19) (3.175,1.19)
Hirose_FH12-30S-0.5SH_1x30-1MP_P0.50mm_Horizontal
  rect 0.3x1.3 smd: 1(-7.25,1.85) 2(-6.75,1.85) 3(-6.25,1.85) 4(-5.75,1.85) 5(-5.25,1.85) 6(-4.75,1.85) 7(-4.25,1.85) 8(-3.75,1.85) 9(-3.25,1.85) 10(-2.75,1.85) 11(-2.25,1.85) 12(-1.75,1.85) 13(-1.25,1.85) 14(-0.75,1.85) 15(-0.25,1.85) 16(0.25,1.85) 17(0.75,1.85) 18(1.25,1.85) 19(1.75,1.85) 20(2.25,1.85) 21(2.75,1.85) 22(3.25,1.85) 23(3.75,1.85) 24(4.25,1.85) 25(4.75,1.85) 26(5.25,1.85) 27(5.75,1.85) 28(6.25,1.85) 29(6.75,1.85) 30(7.25,1.85)
  rect 1.8x2.2 smd: MP(-9.15,-1.4) MP(9.15,-1.4)
HVSOF6
  rect 0.55x0.25 smd: 1(-1.38,0.5) 2(-1.38,0) 3(-1.38,-0.5) 4(1.38,-0.5) 5(1.38,0) 6(1.38,0.5)
JlcToolingHole_1.152mm
  round 1.152 hole 1.152 unplated: (0,0)
JST_PH_B2B-PH-K_1x02_P2.00mm_Vertical
  rrect 1.2x1.75 hole 0.75: 1(0,0)
  oval 1.2x1.75 hole 0.75: 2(2,0)
